# Altium PCB Copy of merci_mini.PcbDoc
Units mm, origin at the board's own origin, x right, y up, seen from the top; angles counter-clockwise.
Board outline 18.25 x 46.25 mm, 2 copper layers (Top Layer, Bottom Layer); 51 components, 40 nets, 250 pads, 12 vias.
Unrouted connection lines stored in the file: 108.
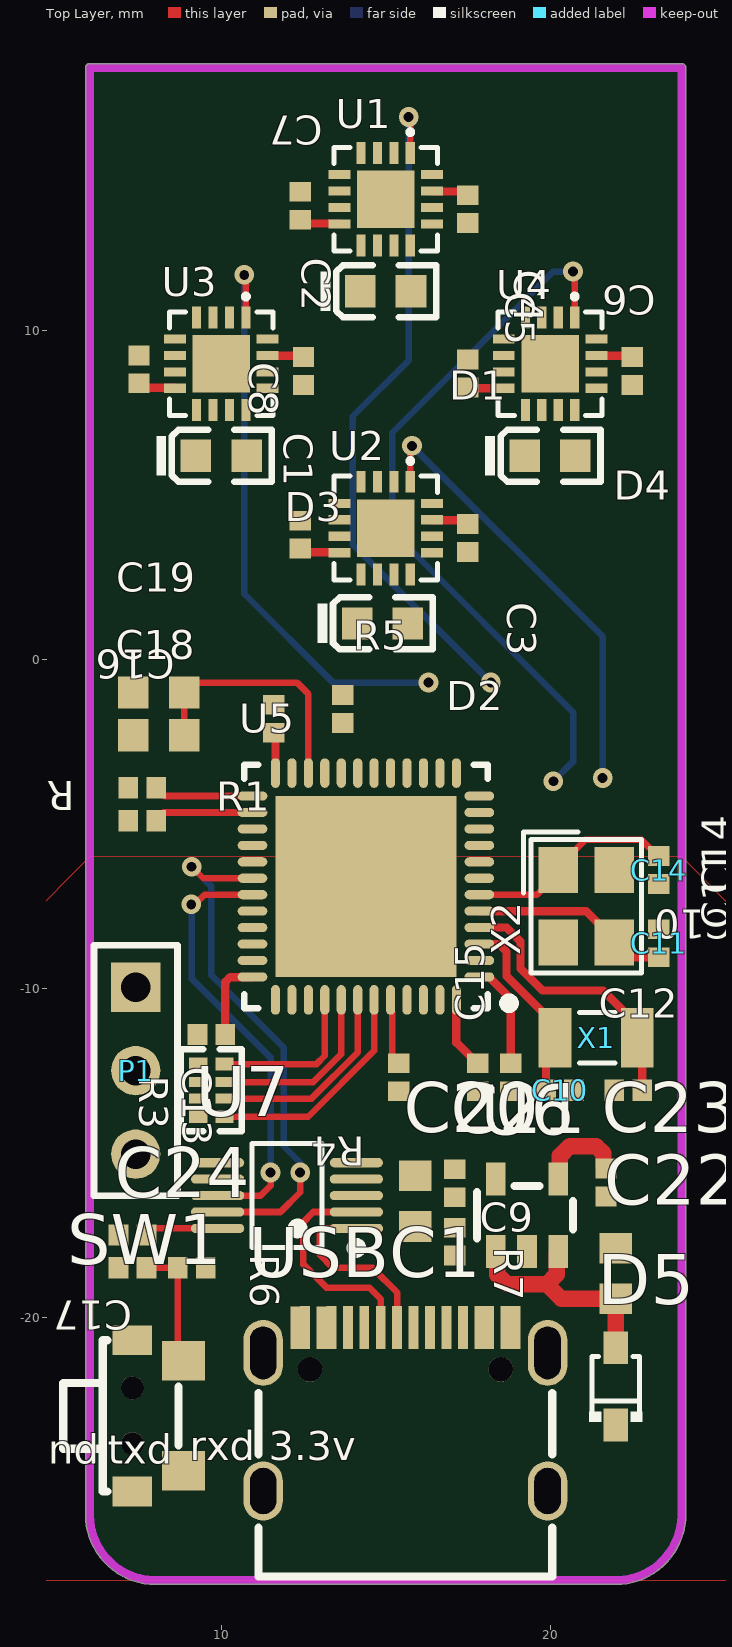
[diagram p0: Top Layer view]
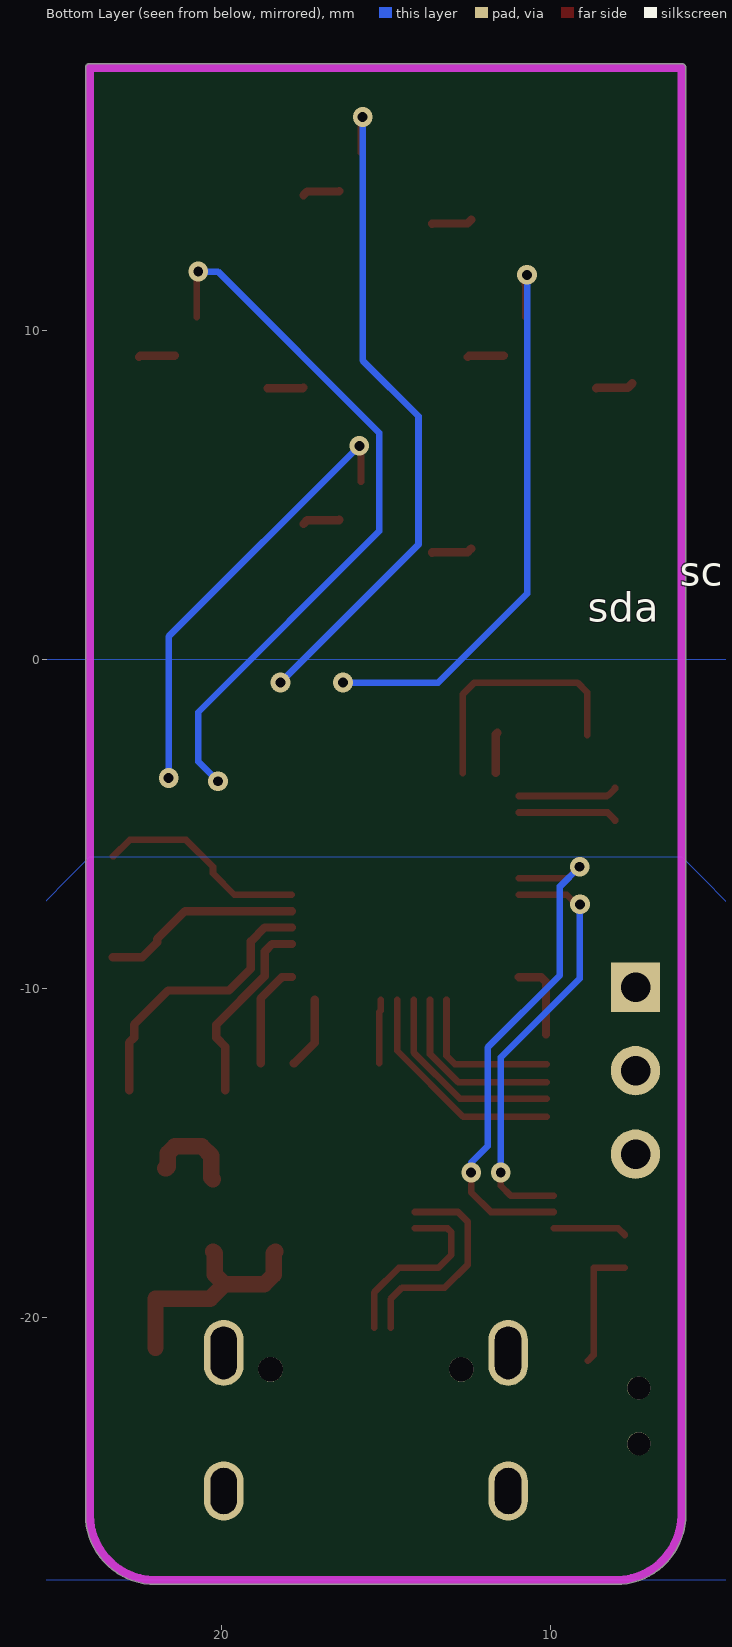
[diagram p1: Bottom Layer view, seen from below]

## Layer stack, top to bottom
Top Solder: solder mask 0.0102, Solder Resist, Dk 3.5
Top Layer: signal copper 0.0356
Dielectric 1: dielectric 0.32, FR-4, Dk 4.8
Bottom Layer: signal copper 0.0356
Bottom Solder: solder mask 0.0102, Solder Resist, Dk 3.5

## Board outline
5.873,-26 5.873,18 cw(c6,18) 6,18.127 24,18.127 cw(c24,18) 24.127,18 24.127,-26 cw(c22,-26) 22,-28.127 8,-28.127 cw(c8,-26)

## Design rules (kind name [scope] priority, off if disabled: settings)
Clearance [All] p1: gap=0.2 ignorepadtopadclearanceinfootprint=TRUE except(0.117: Arc-Arc Arc-Track Arc-SMDPad Arc-THPad Arc-Text Arc-Hole Track-Track Track-SMDPad Track-THPad Track-Text Track-Hole SMDPad-SMDPad SMDPad-THPad SMDPad-Text SMDPad-Hole THPad-THPad THPad-Text THPad-Hole Fill-Text Fill-Hole Poly-Text Poly-Hole Region-Text Region-Hole Text-Text Text-Hole)
HoleSize [All] p1: absolutevalues=TRUE maxlimit=5 minlimit=0.025 maxpercent=80.000 minpercent=20.000
MinimumSolderMaskSliver [All] p1: minsoldermaskwidth=0
PolygonConnect [All] p1: thpad.connectstyle=Relief thpad.reliefconductorwidth=0.254 thpad.reliefentries=4 thpad.polygonreliefangle="90 Angle" thpad.airgapwidth=0.254 smdpad.connectstyle=Relief smdpad.reliefconductorwidth=0.254 smdpad.reliefentries=4 smdpad.polygonreliefangle="90 Angle" smdpad.airgapwidth=0.254 via.connectstyle=Direct via.reliefconductorwidth=0.254 via.reliefentries=4 via.polygonreliefangle="90 Angle" via.airgapwidth=0.254
RoutingVias [All] p1: holewidth=0.3 width=0.6 viastyle="Through Hole" minholewidth=0.3 minwidth=0.6 maxholewidth=0.3 maxwidth=0.6
SilkToSilkClearance [All] p1: silktosilkclearance=0
SilkToSolderMaskClearance [IsPad] p1: minsilkscreentomaskgap=0 clearancetoexposedcopper=TRUE
SolderMaskExpansion [All] p1: expansion=0.102 istentingtop=FALSE
Width [All] p1: maxlimit=0.5 minlimit=0.102 preferedwidth=0.2
26 further rules are at their usual default settings.

## Classes and differential pairs
component class merci_proc: C9 C10 C11 C12 C13 C14 C15 C16 C17 C18 C19 C20 C21 C22 C23 C24 D1 D2 D3 D4 D5 gg P1 R3 R4 R5 R6 R7 SW1 TP1 TP2 TP3 U5 U6 U7 USBC1 X1 X2
component class merci_main: C1 C2 C3 C4 C5 C6 C7 C8 R1 R2 U1 U2 U3 U4

## Components (designator, comment, footprint, x,y, rotation, side; value= is the part's Value field where it differs from the comment)
C1 "100nF (104) 10% 16V" LC-0402_C_NOSILK 12.4,3.8 r90 top
C2 "100nF (104) 10% 16V" LC-0402_C_NOSILK 12.5,8.775 r90 top
C3 "100nF (104) 10% 16V" LC-0402_C_NOSILK 17.5,3.7 r90 top
C4 "100nF (104) 10% 16V" LC-0402_C_NOSILK 17.5,13.7 r90 top
C5 "100nF (104) 10% 16V" LC-0402_C_NOSILK 17.5,8.7 r90 top
C6 "100nF (104) 10% 16V" LC-0402_C_NOSILK 22.5,8.775 r90 top
C7 "100nF (104) 10% 16V" LC-0402_C_NOSILK 12.4,13.8 r270 top
C8 "100nF (104) 10% 16V" LC-0402_C_NOSILK 7.5,8.825 r270 top
C9 "12pF (120) 5% 50V" LC-0402_C_NOSILK 22.375,-13.1 r0 top
C10 "12pF (120) 5% 50V" LC-0402_C_NOSILK 20.3,-13.1 r180 top
C11 "12pF (120) 5% 50V" LC-0402_C_NOSILK 23.3,-8.625 r270 top
C12 "100nF (104) 10% 16V" LC-0402_C_NOSILK 17.8,-12.7 r270 top
C13 "100nF (104) 10% 16V" LC-0402_C_NOSILK 9.7,-11.4 r180 top
C14 "12pF (120) 5% 50V" LC-0402_C_NOSILK 23.3,-6.4 r90 top
C15 "100nF (104) 10% 16V" LC-0402_C_NOSILK 18.8,-12.7 r270 top
C16 "100nF (104) 10% 16V" LC-0402_C_NOSILK 11.6,-1.8 r90 top
C17 "100nF (104) 10% 16V" LC-0402_C_NOSILK 7.3,-18.5 r180 top
C18 "2.2uF (225) 10% 16V" LC-0603_C_NOSILK 8.1,-2.3 r0 top
C19 "2.2uF (225) 10% 16V" LC-0603_C_NOSILK 8.1,-1 r0 top
C20 "2.2uF (225) 10% 16V" LC-0603_C_NOSILK 15.9,-16.47 r90 top
C21 "100nF (104) 10% 16V" LC-0402_C_NOSILK 17.1,-15.925 r90 top
C22 "1uF (105) 10% 50V" LC-0603_C_NOSILK 22,-18.67 r270 top
C23 "10nF (103) 10% 50V" LC-0402_C_NOSILK 21.7,-15.9 r270 top
C24 "100nF (104) 10% 16V" LC-0402_C_NOSILK 7.3,-17.5 r180 top
D1 "白灯 0603" LC-0603_LED_S1 15,11.2 r0 top
D2 "白灯 0603" LC-0603_LED_S1 14.9,1.1 r0 top
D3 "白灯 0603" LC-0603_LED_S1 10,6.2 r0 top
D4 "白灯 0603" LC-0603_LED_S1 20,6.2 r0 top
D5 "1N5819" SOD-323_L1.8-W1.3-LS2.5-RD 22,-22.1 r90 top
P1 "Header 3" HDR1X3 7.4,-12.5 r270 top
R1 "10KΩ (1002) ±1%" LC-0402_R_NOSILK 7.6,-4.9 r0 top
R2 "10KΩ (1002) ±1%" LC-0402_R_NOSILK 7.6,-3.9 r0 top
R3 "10KΩ (103) ±5%" LC-0402_Rx4 9.7,-13.1 r90 top
R4 "10KΩ (1002) ±1%" LC-0402_R_NOSILK 15.4,-12.7 r90 top
R5 "10KΩ (1002) ±1%" LC-0402_R_NOSILK 13.7,-1.5 r270 top
R6 "10KΩ (1002) ±1%" LC-0402_R_NOSILK 9.1,-18.5 r180 top
R7 "5.1KΩ (5101) ±1%" LC-0402_R_NOSILK 17.1,-17.7 r270 top
SW1 "TS24CA" SW-SMD_TS24CA 8.075,-23 r90 top
TP1 "TEST" "TEST 1.6" 28.4,-26.3 r0 top
TP2 "TEST" "TEST 1.6" 38.3,-19 r0 top
TP3 "TEST" "TEST 1.6" 32.4,-19 r0 top
U1 "MLX90393ELW-ABA-011-SP" QFN-16_L3.0-W3.0-P0.50-TR-EP1.7 15,14 r0 top
U2 "MLX90393ELW-ABA-011-SP" QFN-16_L3.0-W3.0-P0.50-TR-EP1.7 15,4 r0 top
U3 "MLX90393ELW-ABA-011-SP" QFN-16_L3.0-W3.0-P0.50-TR-EP1.7 10,9 r0 top
U4 "MLX90393ELW-ABA-011-SP" QFN-16_L3.0-W3.0-P0.50-TR-EP1.7 20,9 r0 top locked
U5 "STM32F411CEU6" "UFQFPN-48_L7.0-W7.0-P0.50-BL-EP - duplicate" 14.4,-6.9 r90 top locked
U6 "SPX3819M5-3.3" SOT-23-5_L2.9-W1.6-P0.95-LS2.8-BL 19.3,-16.9 r0 top
U7 "CH340E" MSOP-10_L3.0-W3.0-P0.50-LS5.0-BL 12,-16.3 r90 top
USBC1 "TYPE-C-31-M-12" USB-C_SMD-TYPE-C-31-M-12 15.6,-22.8 r0 top
X1 "FC-135 32.7680KA-A0" CRYSTAL-SMD_L3.2-W1.5-FC-135R32.7680KF-A3 21.4,-11.5 r0 top
X2 "8MHz" CRYSTAL-SMD_4P-L3.2-W2.5-BL 21.1,-7.5 r270 top

## Footprints (in the part's own frame and the unit in brackets; to place one, negate y for a bottom-side part, rotate by r counter-clockwise, add the part's x,y. Pads: shape width x height; smd on the part's side, far side on the other; paste and mask are expansions set on the pad)
CRYSTAL-SMD_4P-L3.2-W2.5-BL [mm]
  rect 1.4x1.2 smd: 1(-1.1,-0.85) 2(1.1,-0.85) 3(1.1,0.85) 4(-1.1,0.85)
  silkscreen extent -2.26,-1.91 2.03,1.68, body extent -1.55,-1.25 1.65,1.25, height 0.6
CRYSTAL-SMD_L3.2-W1.5-FC-135R32.7680KF-A3 [mm]
  rect 1x1.8 smd: 1(-1.25,0) 2(1.25,0)
  silkscreen extent -0.51,-0.76 0.57,0.76, body extent -1.6,-0.75 1.6,0.75, height 0.9
HDR1X3 [mm] "Connector; Header; 3 Position"
  rect 1.5x1.5 hole 0.9: 1(-2.54,0)
  round 1.5 hole 0.9: 2(0,0) 3(2.54,0)
  silkscreen extent -3.81,-1.27 3.81,1.27, body extent -3.78,-1.24 3.84,1.3, height 8.6
LC-0402_C_NOSILK [mm]
  rect 0.6x0.65 smd mask+0.051: 1(-0.425,0) 2(0.425,0)
  body extent -0.48,-0.3 0.52,0.3, height 0.2
LC-0402_R_NOSILK [mm]
  rect 0.6x0.65 smd mask+0.051: 1(-0.425,0) 2(0.425,0)
  body extent -0.57,-0.27 0.58,0.28, height 0.41
LC-0402_Rx4 [mm]
  rect 0.4x0.55 smd mask+0.051: 1(-0.8,-0.4) 4(0.8,-0.4) 5(0.8,0.4) 8(-0.8,0.4)
  rect 0.3x0.55 smd mask+0.051: 2(-0.25,-0.4) 3(0.25,-0.4) 6(0.25,0.4) 7(-0.25,0.4)
  silkscreen extent -1.25,-0.93 1.25,0.92, body extent -1,-0.5 1,0.5, height 0.45
LC-0603_C_NOSILK [mm]
  rect 0.93x0.98 smd: 1(-0.77,0) 2(0.77,0)
  body extent -0.8,-0.4 0.8,0.4, height 0.3
LC-0603_LED_S1 [mm]
  rect 0.93x0.98 smd: A(0.77,0) K(-0.77,0)
  silkscreen extent -1.98,-0.79 1.54,0.79, body extent -0.8,-0.4 0.8,0.4, height 0.6
MSOP-10_L3.0-W3.0-P0.50-LS5.0-BL [mm]
  oval 0.28x1.62 smd: 1(-1,-2.11) 2(-0.5,-2.11) 3(0,-2.11) 4(0.5,-2.11) 5(1,-2.11) 6(1,2.11) 7(0.5,2.11) 8(0,2.11) 9(-0.5,2.11) 10(-1,2.11)
  silkscreen extent -1.74,-2.26 1.58,1.07, body extent -1.5,-2.44 1.5,2.59, height 1.05
QFN-16_L3.0-W3.0-P0.50-TR-EP1.7 [mm]
  rect 0.28x0.665 smd: 1(0.75,1.407) 2(0.25,1.407) 3(-0.25,1.407) 4(-0.75,1.407) 9(-0.75,-1.407) 10(-0.25,-1.407) 11(0.25,-1.407) 12(0.75,-1.407)
  rect 0.665x0.28 smd: 5(-1.407,0.75) 6(-1.407,0.25) 7(-1.407,-0.25) 8(-1.407,-0.75) 13(1.407,-0.75) 14(1.407,-0.25) 15(1.407,0.25) 16(1.407,0.75)
  rect 1.75x1.75 smd: 17(0,0)
  silkscreen extent -1.58,-1.58 1.58,2.11, body extent -1.5,-1.5 1.5,1.5
SOD-323_L1.8-W1.3-LS2.5-RD [mm]
  rect 1x0.75 smd paste+0 mask+0.051: 1(-1.173,0) 2(1.173,0)
  silkscreen extent -1.08,-0.8 0.9,0.8, body extent -1.3,-0.64 1.3,0.71, height 1.1
SOT-23-5_L2.9-W1.6-P0.95-LS2.8-BL [mm]
  rect 0.6x1 smd: 1(-0.95,-1.1) 2(0,-1.1) 3(0.95,-1.1) 4(0.95,1.1) 5(-0.95,1.1)
  silkscreen extent -1.52,-0.7 1.4,0.89, body extent -1.47,-1.25 1.53,1.25, height 1.01
SW-SMD_TS24CA [mm]
  rect 0.9x1.2 smd: 1(-2.3,0.775) 2(2.3,0.775)
  rect 1.2x1.3 smd: 3(-1.675,-0.775) 4(1.675,-0.775)
  round 0.7 hole 0.7 unplated: ""(-0.85,0.775) ""(0.85,0.775)
  silkscreen extent -2.3,-0.62 2.3,2.88, body extent -3.95,-1.4 3.85,2.11, height 3.5
"TEST 1.6" [mm] "测试点1.6mm"
  round 1.6 smd paste-1.6: 1(0,0)
  silkscreen extent -1.01,-1.02 1.02,1.02
"UFQFPN-48_L7.0-W7.0-P0.50-BL-EP - duplicate" [mm]
  oval 0.28x0.9 smd: 1(-2.751,-3.449) 2(-2.25,-3.449) 3(-1.75,-3.449) 4(-1.25,-3.449) 5(-0.749,-3.449) 6(-0.249,-3.449) 7(0.249,-3.449) 8(0.749,-3.449) 9(1.25,-3.449) 10(1.75,-3.449) 11(2.251,-3.449) 12(2.751,-3.449) 25(2.751,3.449) 26(2.251,3.449) 27(1.75,3.449) 28(1.25,3.449) 29(0.749,3.449) 30(0.249,3.449) 31(-0.249,3.449) 32(-0.749,3.449) 33(-1.25,3.449) 34(-1.75,3.449) 35(-2.25,3.449) 36(-2.751,3.449)
  oval 0.9x0.28 smd: 13(3.449,-2.751) 14(3.449,-2.25) 15(3.449,-1.75) 16(3.449,-1.25) 17(3.449,-0.749) 18(3.449,-0.249) 19(3.449,0.249) 20(3.449,0.749) 21(3.449,1.25) 22(3.449,1.75) 23(3.449,2.25) 24(3.449,2.751) 37(-3.449,2.751) 38(-3.449,2.25) 39(-3.449,1.75) 40(-3.449,1.25) 41(-3.449,0.749) 42(-3.449,0.249) 43(-3.449,-0.249) 44(-3.449,-0.749) 45(-3.449,-1.25) 46(-3.449,-1.75) 47(-3.449,-2.25) 48(-3.449,-2.751)
  rect 5.5x5.5 smd: 49(0,0)
  silkscreen extent -3.7,-4.5 3.7,3.7, body extent -3.48,-3.48 3.54,3.54, height 0.78
USB-C_SMD-TYPE-C-31-M-12 [mm]
  oval 1.2x2 hole 0.8 slot 1.6 at 90 deg: 0(-4.325,1.716) 1(4.325,1.716)
  oval 1.2x1.8 hole 0.8 slot 1.4 at 90 deg: 2(4.325,-2.484) 3(-4.325,-2.484)
  rect 0.3x1.3 smd: A1(-3.35,2.484) A4(-2.55,2.484) A5(-1.25,2.484) A6(-0.25,2.484) A7(0.25,2.484) A8(1.25,2.484) A9(2.55,2.484) A12(3.35,2.484) B1(3.05,2.484) B4(2.25,2.484) B5(1.75,2.484) B6(0.75,2.484) B7(-0.75,2.484) B8(-1.75,2.484) B9(-2.25,2.484) B12(-3.05,2.484)
  round 0.75 hole 0.75 unplated: ""(-2.9,1.216) ""(2.9,1.216)
  silkscreen extent -4.47,-5.08 4.47,0.5, body extent -4.55,-5.19 4.39,2.71, height 3.13

## Part data
C1 C2 C3 C4 C5 C6 C7 C8 C12 C13 C15 C16 C17 C21 C24: library part "0402 100nF (104) 10% 16V", "贴片电容", Package=0402, SuppliersPartNumber=C1525, ComponentLink1Description=供应商链接, ComponentLink1URL=http://www.szlcsc.com/product/details_1877.html, Supplier=LC
C9 C10 C11 C14: library part "0402 12pF (120) 5% 50V", "贴片电容", Package=0402, SuppliersPartNumber=C1547, ComponentLink1Description=供应商链接, ComponentLink1URL=http://www.szlcsc.com/product/details_1899.html, Supplier=LC
C18 C19 C20: library part "0603 2.2uF (225) 10% 16V", "贴片电容", Package=0603, SuppliersPartNumber=C23630, ComponentLink1Description=供应商链接, ComponentLink1URL=http://www.szlcsc.com/product/details_24366.html, Supplier=LC
C22: library part "0603 1uF (105) 10% 50V", "贴片电容", Package=0603, SuppliersPartNumber=C15849, ComponentLink1Description=供应商链接, ComponentLink1URL=http://www.szlcsc.com/product/details_16531.html, Supplier=LC
C23: library part "0402 10nF (103) 10% 50V", "贴片电容", Package=0402, SuppliersPartNumber=C15195, ComponentLink1Description=供应商链接, ComponentLink1URL=http://www.szlcsc.com/product/details_15869.html, Supplier=LC
D1 D2 D3 D4: library part "0603 白灯", "发光二极管", Package=0603, SuppliersPartNumber=C2290, ComponentLink1Description=供应商链接, ComponentLink1URL=http://www.szlcsc.com/product/details_2663.html, Supplier=LC
D5: "肖特基二极管", BOM名称=肖特基二极管, 学习资源=www.ooocke.com, 属性=40V/2A, 版权归属=源创客
P1: "Header, 3-Pin", LatestRevisionDate=17-Jul-2002, LatestRevisionNote="Re-released for DXP Platform.", Publisher="Altium Limited"
R1 R2 R4 R5 R6: library part "0402 10KΩ (1002) 1%", "贴片电阻", Package=0402, SuppliersPartNumber=C25744, ComponentLink1Description=供应商链接, ComponentLink1URL=http://www.szlcsc.com/product/details_26487.html, Supplier=LC
R3: library part "0402*4 10KΩ (103) 5%", "贴片排阻", Package=0402*4, SuppliersPartNumber=C25725, ComponentLink1Description=供应商链接, ComponentLink1URL=http://www.szlcsc.com/product/details_26468.html, Supplier=LC
R7: library part "0402 5.1KΩ (5101) 1%", "贴片电阻", Package=0402, SuppliersPartNumber=C25905, ComponentLink1Description=供应商链接, ComponentLink1URL=http://www.szlcsc.com/product/details_26648.html, Supplier=LC
SW1: "按键", BOM_JLCPCB Part Class="Extended Part", BOM_Manufacturer="SHOU HAN(首韩)", BOM_Manufacturer Part=TS24CA, BOM_Supplier=LCSC, BOM_Supplier Part=C393942, Contributor=LCSC, spicePre=S, spiceSymbolName=TS24CA
TP1 TP2 TP3: "测试点", BOM名称=测试点, 学习资源=www.ooocke.com, 版权归属=源创客
U1 U2 U3 U4: BOM_JLCPCB Part Class="Extended Part", BOM_Manufacturer=Melexis(比利时迈来芯), BOM_Manufacturer Part=MLX90393ELW-ABA-011-SP, BOM_Supplier=LCSC, BOM_Supplier Part=C1526586, Contributor=LCSC, spicePre=U, spiceSymbolName=MLX90393ELW-ABA-011-SP
U5: BOM_JLCPCB Part Class="Extended Part", BOM_Manufacturer=ST(意法半导体), BOM_Manufacturer Part=STM32F411CEU6, BOM_Supplier=LCSC, BOM_Supplier Part=C60420, spicePre=U, spiceSymbolName=STM32F411CEU6
U6: "Vin=16V Vout=3.3V 500mA LDO", BOM_JLCPCB Part Class="Extended Part", BOM_Manufacturer=null, BOM_Manufacturer Part=SPX3819M5-3.3, BOM_Supplier=LCSC, BOM_Supplier Part=C9900018941, Contributor=lcsc, spicePre=U, spiceSymbolName=SPX3819M5-3.3
U7: "ttl-usb芯片", BOM_JLCPCB Part Class="Extended Part", BOM_Manufacturer=WCH(南京沁恒), BOM_Manufacturer Part=CH340E, BOM_Supplier=LCSC, BOM_Supplier Part=C99652, spicePre=U, spiceSymbolName=CH340E
USBC1: "贴片type-c母座", BOM_JLCPCB Part Class="Extended Part", BOM_Manufacturer=韩国韩荣, BOM_Manufacturer Part=TYPE-C-31-M-12, BOM_Supplier=LCSC, BOM_Supplier Part=C165948, Contributor=LCSC, spicePre=U, spiceSymbolName=TYPE-C-31-M-12
X1: BOM_Manufacturer=EPSON(爱普生), BOM_Manufacturer Part="FC-135 32.7680KA-A0", BOM_Supplier=LCSC, BOM_Supplier Part=C2650444, Contributor=lcsc, link=https://atta.szlcsc.com/upload/public/pdf/source/20211127/C2650444_3DEB46927A758E75F8CF3F6FA0A6BD9B.pdf, spicePre=X, spiceSymbolName="FC-135 32.7680KA-A0"
X2: BOM_Manufacturer=JWT(晶威特), BOM_Manufacturer Part=CF4008M00012T8188031, BOM_Supplier=LCSC, BOM_Supplier Part=C2933033, Contributor=LCSC, nameAlias=Frequency, spicePre=X, spiceSymbolName=CF4008M00012T8188031

## Via types
v1: diameter 0.6, hole 0.3, Top Layer to Bottom Layer, 12 vias

## Nets (pads, with @x,y where several pads share a name; then routed paths per layer and width w, separated by ;. In a path a pad name is that pad's centre, name@x,y a point inside that pad or via, vN(x,y) a via of type N, cw(c..) or ccw(c..) an arc to the next point about the centre after c; other vN are vias at no path point)
BOOT0: R4.2 U5.44 | length 1.9
  Top Layer w0.2: U5.44 15.149,-10.681 15.2,-10.732 R4.2@15.2,-12.275
BOOT1: R5.2 U5.20
GND: C1.2 C2.1 C3.1 C4.1 C5.2 C6.1 C7.1 C8.1 C9.1 C10.1 C11.1 C12.2 C13.2 C14.1 C15.2 C16.2 C17.2 C18.1 C19.1 C20.1 C21.1 C22.1 C23.2 C24.2 P1.3 R4.1 R5.1 R7.1 SW1.3 U1.11 U1.12 U1.13 U1.17 U2.11 U2.13 U2.17 U3.12 U3.13 U3.17 U4.13 U4.17 U5.8 U5.23 U5.35 U5.47 U5.49 U6.2 U7.3 USBC1.0 USBC1.1 USBC1.2 USBC1.3 USBC1.A1 USBC1.A12 USBC1.B1 USBC1.B12
I2C0_SCL: R1.2 U1.3 U2.3 U3.3 U4.3 U5.26 | length 3
  Top Layer w0.2: R1.2 8.025,-4.875 8.25,-4.65 U5.26
I2C0_SDA: R2.2 U1.5 U2.5 U3.5 U4.5 U5.25 | length 3
  Top Layer w0.2: R2.2 8.025,-3.925 8.225,-4.125 8.25,-4.125 8.274,-4.149 U5.25
MAG0_INT: U1.1 U5.12 | length 20.8
  Top Layer w0.2: v1(15.7,16.5) 15.75,16.45 U1.1
  Bottom Layer w0.2: v1(15.7,16.5) 15.7,9.1 14,7.4 14,3.5 v1(18.2,-0.7)
MAG0_TRIG: U1.7 U5.16
MAG1_INT: U2.1 U5.10 | length 13.6
  Top Layer w0.2: U2.1 15.75,6.45 v1(15.8,6.5)
  Bottom Layer w0.2: v1(15.8,6.5) 21.6,0.7 v1(21.6,-3.6)
MAG1_TRIG: U2.7 U5.14
MAG2_INT: U3.1 U5.13 | length 17.7
  Top Layer w0.2: v1(10.7,11.7) 10.763,11.637 10.763,11.406 10.75,11.393 U3.1
  Bottom Layer w0.2: v1(10.7,11.7) 10.7,2 13.4,-0.7 v1(16.3,-0.7)
MAG2_TRIG: U3.7 U5.17
MAG3_INT: U4.1 U5.11 | length 22.1
  Top Layer w0.2: v1(20.7,11.8) 20.75,11.75 U4.1
  Bottom Layer w0.2: v1(20.1,-3.7) 20.7,-3.1 20.7,-1.6 15.2,3.9 15.2,6.9 20.1,11.8 v1(20.7,11.8)
MAG3_TRIG: U4.7 U5.15
NetC9_2: C9.2 U5.4 X1.2 | length 8.6
  Top Layer w0.254: U5.4 18.68,-8.15 19.1,-8.569 19.1,-9.4 19.764,-10.064 21.614,-10.064 22.65,-11.1 X1.2 22.8,-11.65 C9.2
NetC10_2: C10.2 U5.3 X1.1 | length 5.9
  Top Layer w0.254: U5.3 18.45,-8.65 18.677,-8.877 18.677,-9.627 20.15,-11.1 X1.1 19.875,-11.775 C10.2
NetC11_2: C11.2 U5.5 X2.3 | length 6.1
  Top Layer w0.254: U5.5 21.099,-7.649 21.95,-8.5 X2.3 22.4,-9.05 C11.2
NetC14_2: C14.2 U5.6 X2.1 | length 6.5
  Top Layer w0.2: U5.6 19.601,-7.149 20.25,-6.5 X2.1 20.25,-6.3 21.067,-5.483 22.783,-5.483 23.275,-5.975 C14.2
NetC18_2: C18.2 C19.2 U5.22 | length 7.7
  Top Layer w0.2: C18.2 C19.2 9.17,-0.7 12.3,-0.7 12.65,-1.05 U5.22
NetC23_1: C23.1 U6.4 | length 2.8
  Top Layer w0.5: U6.4 20.3,-15.75 20.3,-15.093 20.593,-14.8 21.407,-14.8 21.625,-15.018 21.625,-15.425 21.675,-15.475 C23.1
NetC24_1: C24.1 U7.10 | length 2.2
  Top Layer w0.2: C24.1 7.925,-17.3 U7.10
NetD1_K: D1.K R3.8
NetD2_K: D2.K R3.7
NetD3_K: D3.K R3.6
NetD4_K: D4.K R3.5
NetR3_1: R3.1 U5.43 | length 6.9
  Top Layer w0.2: R3.1 12.645,-13.9 14.649,-11.896 U5.43
NetR3_2: R3.2 U5.42 | length 6.2
  Top Layer w0.2: R3.2 12.747,-13.35 14.151,-11.946 U5.42
NetR3_3: R3.3 U5.41 | length 5.6
  Top Layer w0.2: R3.3 12.798,-12.85 13.651,-11.998 U5.41
NetR3_4: R3.4 U5.40 | length 4.9
  Top Layer w0.2: R3.4 12.9,-12.3 13.15,-12.05 U5.40
NetR7_2: R7.2 USBC1.A5 USBC1.B5
NetU7_1: U7.1 USBC1.A6 USBC1.B6 | length 5.7
  Top Layer w0.2: U7.1 13.117,-17.3 13,-17.417 13,-18.1 13.4,-18.5 14.6,-18.5 15.35,-19.25 USBC1.A6
NetU7_2: U7.2 USBC1.A7 USBC1.B7 | length 6.7
  Top Layer w0.2: U7.2 12.8,-16.8 12.5,-17.1 12.5,-18.4 13.2,-19.1 14.5,-19.1 14.85,-19.45 USBC1.B7
NetUSBC1_A8,B8: USBC1.A8 USBC1.B8
NRST: C17.1 R6.2 SW1.4 U5.7 | length 3.8
  Top Layer w0.2: C17.1 R6.2 8.675,-21.15 SW1.4
SWCLK: P1.2 U5.37
SWDIO: P1.1 U5.34
USART1_RXD: TP3.1 U5.31 U7.8 | length 13.4
  Top Layer w0.2: v1(9.089,-7.444) 9.197,-7.444 9.493,-7.149 U5.31 ; U7.8 11.2,-16.3 11.5,-16 v1(11.5,-15.6)
  Bottom Layer w0.2: v1(9.089,-7.444) 9.089,-7.411 9.1,-7.4 9.1,-9.7 11.5,-12.1 v1(11.5,-15.6)
USART1_TXD: TP2.1 U5.30 U7.9 | length 16
  Top Layer w0.2: v1(9.1,-6.3) 9.451,-6.651 U5.30 ; U7.9 11.8,-16.8 12.4,-16.2 v1(12.4,-15.6)
  Bottom Layer w0.2: v1(9.1,-6.3) 9.7,-6.9 9.7,-9.6 11.9,-11.8 11.9,-14.8 12.4,-15.3 v1(12.4,-15.6)
VBUS_USB: D5.1 USBC1.A4 USBC1.A9 USBC1.B4 USBC1.B9
VCC_3V3: C1.1 C2.2 C3.2 C4.2 C5.1 C6.2 C7.2 C8.2 C12.1 C13.1 C15.1 C16.1 C20.2 C21.2 D1.A D2.A D3.A D4.A R1.1 R2.1 R6.1 TP1.1 U1.2 U1.8 U1.15 U2.2 U2.8 U2.12 U2.15 U3.2 U3.8 U3.11 U3.15 U4.2 U4.8 U4.11 U4.12 U4.15 U5.1 U5.9 U5.24 U5.36 U5.48 U6.5 U7.7 | length 18.4
  Top Layer w0.254: C8.2 7.637,8.263 8.58,8.263 U3.8 ; C13.1 10.125,-9.8 10.269,-9.656 10.946,-9.656 U5.36 ; U3.15 11.42,9.237 12.463,9.237 C2.2 ; C16.1 11.649,-2.274 U5.24 ; C1.1 12.512,3.263 13.58,3.263 U2.8 ; C7.2 12.512,13.263 13.58,13.263 U1.8 ; U2.15 16.42,4.237 17.388,4.237 C3.2 ; U1.15 16.42,14.237 17.388,14.237 C4.2 ; U5.48 17.151,-11.651 17.775,-12.275 C12.1 ; C5.1 17.525,8.25 U4.8 ; U5.1 18.152,-9.651 18.164,-9.663 18.164,-9.675 18.8,-10.31 C15.1 ; U4.15 21.42,9.237 22.463,9.237 C6.2
VCC_5V: C22.2 D5.2 U6.1 U6.3 | length 7.3
  Top Layer w0.5: U6.1 18.4,-18.05 18.4,-18.707 18.693,-19 19.9,-19 ; U6.3 20.2,-18.05 20.2,-18.7 19.9,-19 ; D5.2 C22.2 20.34,-19.44 19.9,-19
pads on no net: SW1. SW1.1 SW1.2 U1.4 U1.6 U1.9 U1.10 U1.14 U1.16 U2.4 U2.6 U2.9 U2.10 U2.14 U2.16 U3.4 U3.6 U3.9 U3.10 U3.14 U3.16 U4.4 U4.6 U4.9 U4.10 U4.14 U4.16 U5.2 U5.18 U5.19 U5.21 U5.27 U5.28 U5.29 U5.32 U5.33 U5.38 U5.39 U5.45 U5.46 U7.4 U7.5 U7.6 USBC1. X2.2 X2.4

## Polygon pours and split planes (outlines as drawn)
GND on Bottom Layer "NONET_L02_P000" (solid, shelved, pour order 0): 1.6,30.1 -0.2,28.7 -0.25,0 29,0 30.5,1.5 30.5,29.75 29.75,30.5
GND on Bottom Layer "NONET_L02_P002" (solid, remove dead copper, shelved, pour order 2): 6,-6 4,-8 0.75,-8 0,-8.75 0,-27 1,-28 29,-28 30,-27 30,-8.75 29.25,-8 26,-8 24,-6
GND on Top Layer "NONET_L01_P001" (solid, remove dead copper, shelved, pour order 1): 6,-6 4,-8 0.75,-8 0,-8.75 0,-27 1,-28 29,-28 30,-27 30,-8.75 29.25,-8 26,-8 24,-6

## Keep-outs
Keep-Out Layer:
  lines w0.254: 6,-6 6,0 6,18 24,18 24,0 24,-6 ; 6,-4 6,-26 ccw(c8,-26) 8,-28 22,-28 ccw(c22,-26) 24,-26 24,-4

## Silkscreen, mask and mechanical layers (free items; w line width, h text height)
Top Overlay:
  lines w0.254: -5.919,1.919 -5.565,2.273 ; -5.865,-0.027 -5.565,-0.327 ; -5.265,-0.027 -5.565,-0.327 ; -5.196,1.904 -5.565,2.273 ; 29.3,-20 28.765,-20 ; 40.4,10.7 40.7,10.4 ; 40.7,13 40.7,10.4 ; 41,10.7 40.7,10.4 ; 41.6,12.7 41.3,13 ; -5.565,-0.327 -5.565,2.273 ; 28.765,-20 28.8,-20 ; 28.765,-20 28.8,-20 ; 28.8,-20 29.3,-20.5 29.3,-19.5 28.8,-20 ; 34.7,18.1 45.6,18.1 ; 34.7,18.1 34.7,13.8 45.6,13.8 45.6,18.1 ; 34.7,18.1 45.6,18.1 ; 34.7,18.1 34.7,16.5 45.6,16.5 45.6,18.1 ; 41.3,13 41,12.7 41.3,13 ; 41.3,13 41.3,10.4 41.3,13 ; 45,5.1 39.5,5.1 39.5,8.8 45,8.8 ; 45,5.1 45,8.8 ; 45,5.1 48.3,5.1 48.3,8.8 ; 45,5.1 45,8.8 ; 45,8.8 48.3,8.8 ; 45,8.8 48.3,8.8 ; 45,8.8 45,6.95 48.3,6.95 48.3,8.8 ; 1.7,-27.4 3.2,-27.4 3.2,-24.4 1.7,-24.4 1.7,-27.4 ; 30.1,-32 31.9,-32 31.9,-29.2 30.1,-29.2 30.1,-32
  text "MERCI PROJECT" at 35.05,16.85 h0.89
  text "sensor board v0.1" at 35.15,15.45 h0.85
  text "ultralyj 2023/1/1" at 35.15,14.217 h0.8
  text "t/d" at 39.923,10.65 h0.89 r90
  text "2" at 39.95,9.15 h1
  text "0" at 41.18,9.149 h1
  text "3" at 42.55,9.15 h1
  text "1" at 43.95,9.15 h1
  text "drdy" at 45.35,7.646 h0.89
  text "trig" at 45.313,5.579 h0.89
  text "iic" at -5.35,-1.835 h0.89 r90
  text "res" at 29.65,-22.45 h0.89 r90
  text "rxd" at 9.05,-24.35 h0.89
  text "3.3v" at 11.45,-24.35 h0.89
  text "gnd" at 3.95,-24.454 h0.89
  text "txd" at 6.55,-24.45 h0.89
  text "port" at 2.752,-27.13 h0.89 r90
  text "jtag" at 31.304,-31.7 h0.89 r90
  text "gnd" at 32.038,-33 h0.89
  text "clk" at 34.95,-33.05 h0.89
  text "dio" at 37.45,-33.05 h0.89
Bottom Overlay:
  text "3.3v" at 47.15,13.05 h0.89
  text "gnd" at 33.55,4.146 h0.89
  text "scl" at 6.05,2.25 h0.89
  text "sda" at 8.85,1.15 h0.89